# Altium PCB mPCIe_Breakout01_BRD1.PcbDoc (part 2 of 2)
Units mil, origin at the board's own origin, x right, y up, seen from the top; angles counter-clockwise.
Board outline 4000 x 4000 mil, 4 copper layers (Top Layer, Inner Layer 1, Inner Layer 2, Bottom Layer), stack 60.911 mil thick; 97 components, 50 nets, 363 pads, 274 vias.
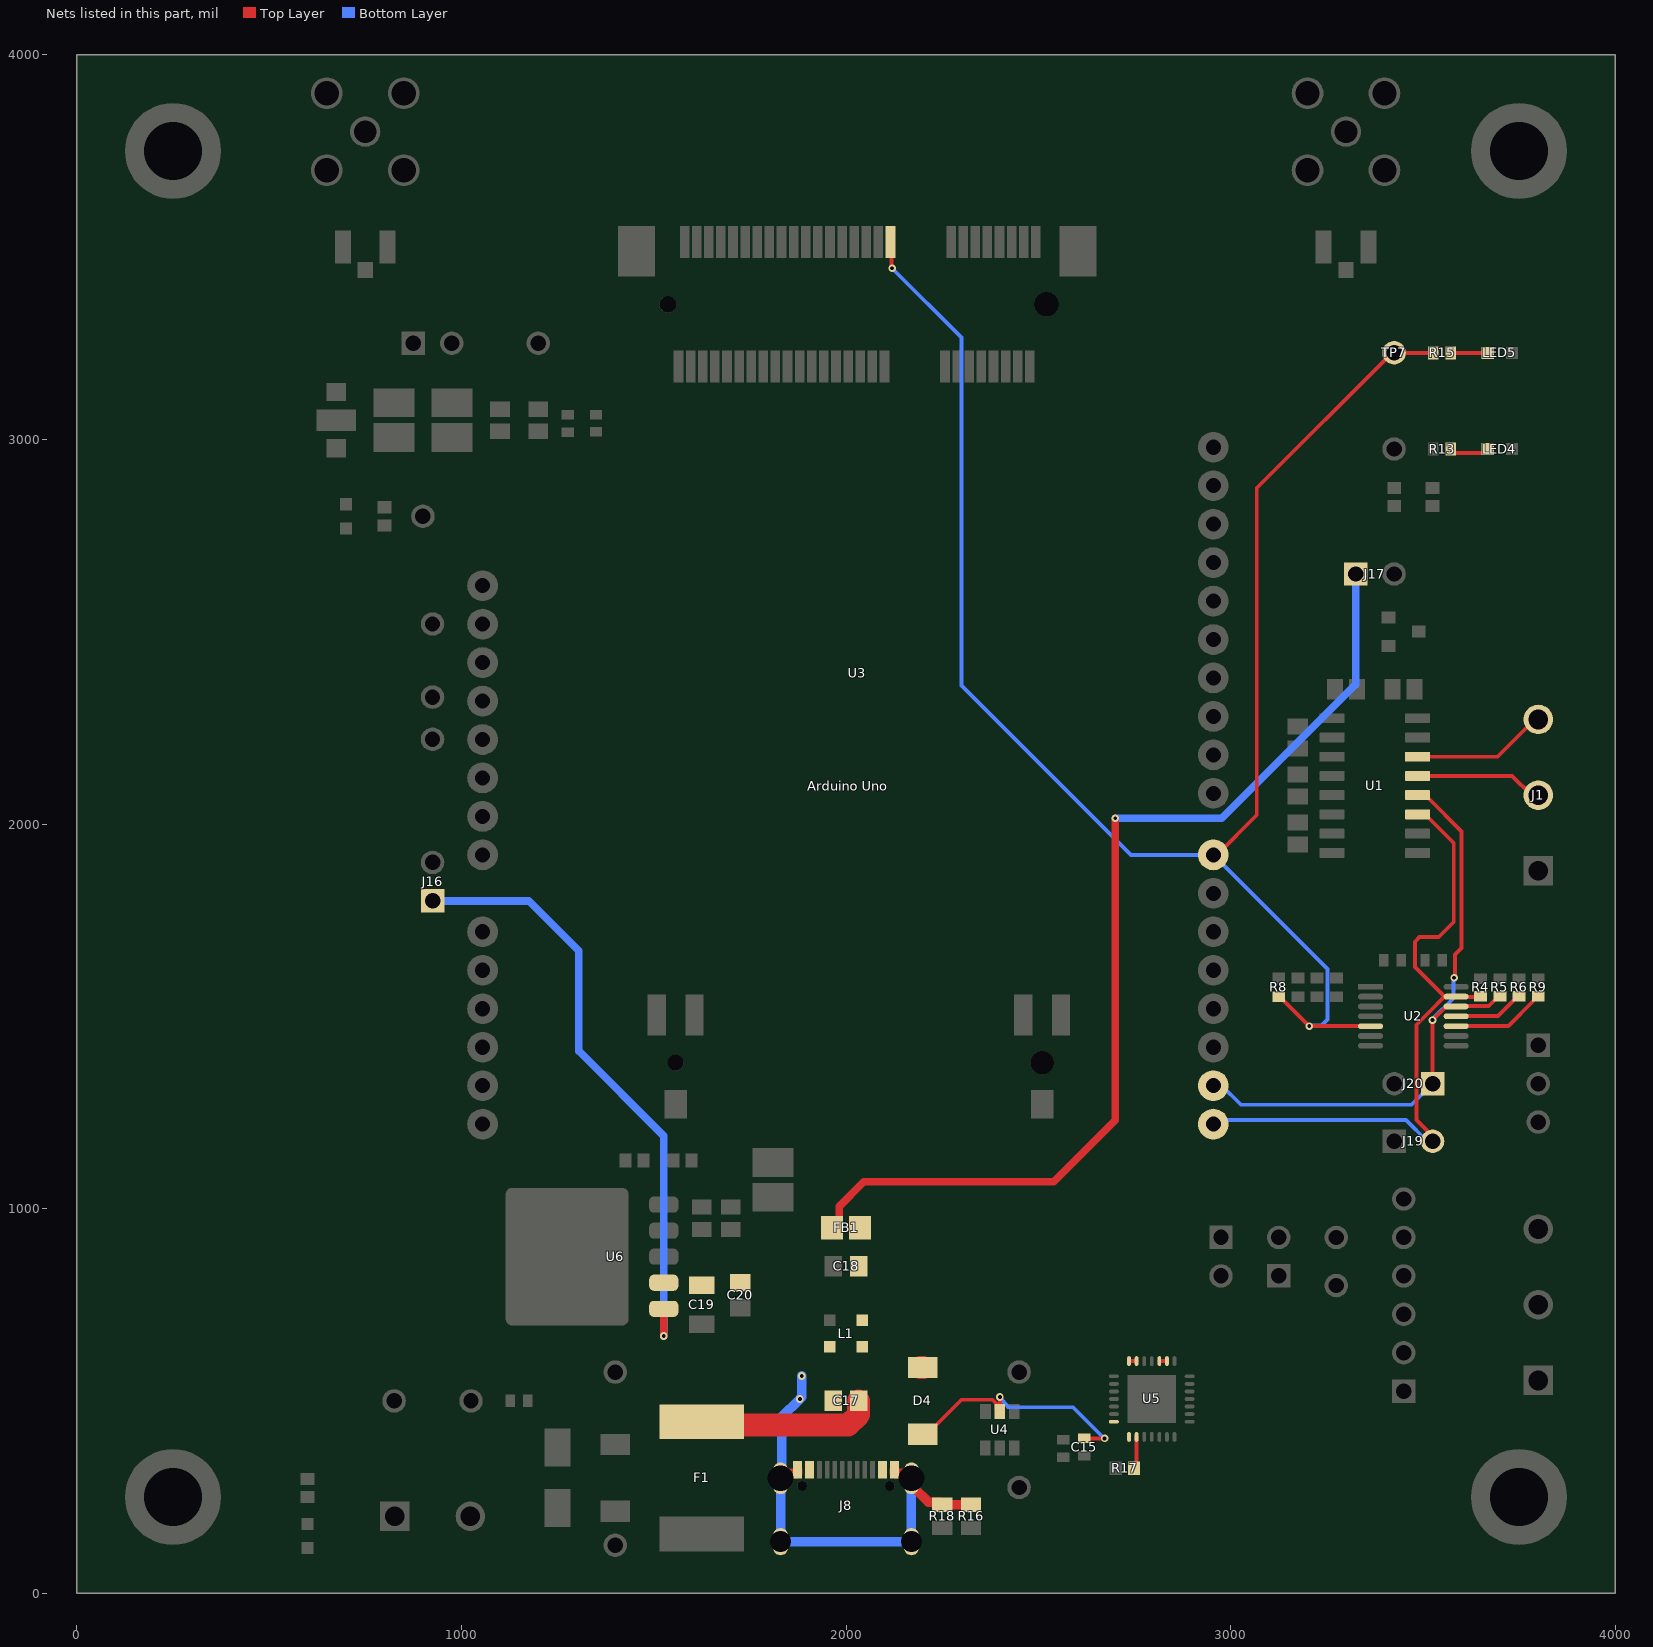
[diagram p4: the nets of this part, all layers, seen from the top]

## Via types
v1: diameter 20, hole 10, Top Layer to Bottom Layer, tented both sides, 274 vias

## Nets (pads, with @x,y where several pads share a name; then routed paths per layer and width w, separated by ;. In a path a pad name is that pad's centre, name@x,y a point inside that pad or via, vN(x,y) a via of type N, cw(c..) or ccw(c..) an arc to the next point about the centre after c; other vN are vias at no path point) (continued)
NetLED4_2: LED4.2 R13.1 | length 105.9
  Top Layer w10: R13.1@3572.64,2975 3572.64,2973.03 3581.42,2964.25 3657.76,2964.25 LED4.2@3668.5,2975
NetLED5_2: LED5.2 R15.1 | length 95.9
  Top Layer w10: R15.1@3572.64,3225 LED5.2@3668.5,3225
NetR17_2: R17.2 U5.9 | length 81.9
  Top Layer w10: U5.9@2755.63,406.57 2755.63,325.87 R17.2@2756.5,325
NetU5_23: U5.23 U5.24 | length 19.7
  Top Layer w10: U5.24@2814.69,603.43 U5.23@2834.37,603.43
NetU5_27: U5.27 U5.28 | length 19.7
  Top Layer w10: U5.28@2735.94,603.43 U5.27@2755.63,603.43
RS232_RX: J1.2 U1.13 | length 334.5
  Top Layer w10: U1.13@3486.22,2125 3731.93,2125 3781.93,2075 J1.2@3800,2075
RS232_TX: J1.3 U1.14 | length 353.9
  Top Layer w10: U1.14@3486.22,2175 3694.07,2175 3790.92,2271.85 J1.3@3800,2271.85
T/R: "Arduino Uno.7" R8.1 R15.2 TP7.1 U2.5 U3.17 | length 4548.6
  Top Layer w10: U3.17@2115.75,3512.83 2118.09,3510.5 2118.09,3446.91 v1(2120,3445) ; 2955.12,1919.69 2964.69,1919.69 3068,2023 3068,2873.31 TP7.1@3419.69,3225 ; R8.1@3125,1550.39 3127.95,1550.39 3203.94,1474.41 v1(3204.41,1474.41) ; v1@3205,1475 v1(3204.41,1474.41) ; U2.5@3363.76,1474.41 v1(3204.41,1474.41) ; TP7.1@3425,3225 R15.2@3527.36,3225
  Bottom Layer w10: v1(2120,3445) 2300,3265 2300,2360.25 2740.57,1919.69 2955.12,1919.69 ; 2955,1920 2955,1919.8 2955.12,1919.69 ; v1(3204.41,1474.41) 3206.32,1476.32 3236.02,1476.32 3251.49,1491.79 3251.49,1623.31 2955.12,1919.69
USB_GND: C17.2 J8.1 J8.2 J8.3 J8.4 J8.A1-B12 J8.B1-A12 L1.4 R16.2 R18.2 | length 1289.3
  Top Layer w25: J8.1@1829.92,298.7 1829.92,304.56 1836.56,311.2 1873.33,311.2 1874.02,311.89 J8.A1-B12@1874.02,321.34 ; J8.B1-A12@2125.98,321.34 2125.98,311.89 2126.67,311.2 2163.44,311.2 2170.08,304.56 J8.2@2170.08,298.7 ; J8.2@2176.72,286.71 2176.72,274.3 2214.3,236.71 2243.8,236.71 R18.2@2250,230.51 R16.2@2325,230.51
  Bottom Layer w25: v1(1885,565) 1885,510 v1(1880,505) 1832.67,457.67 1832.67,301.45 J8.1@1829.92,298.7 J8.3@1829.92,134.13 J8.4@2170.08,134.13 J8.2@2170.08,298.7 2170.08,316.47 J8.2@2176.72,323.1
USER_GPIO1: R6.1 U2.11 | length 185.5
  Top Layer w10: U2.11@3586.24,1500 3587.19,1500.95 3695.64,1500.95 3747.05,1552.36 R6.1@3750,1552.36
USER_RX: "Arduino Uno.1" J20.1 R5.1 U1.12 U2.12 | length 1654
  Top Layer w10: U1.12@3486.22,2075 3494.02,2067.2 3513.7,2067.2 3600,1980.91 3600,1677.49 3583.1,1660.59 3583.1,1602.18 v1(3581.19,1600.27) ; J20.1@3525,1325 v1(3525,1490.01) 3560.58,1525.59 U2.12@3586.24,1525.59 3587.19,1526.55 3671.23,1526.55 3697.05,1552.36 R5.1@3700,1552.36
  Bottom Layer w10: 2955,1320 2976.6,1320 3026.6,1270 3470,1270 J20.1@3525,1325 ; v1(3525,1490.01) 3525,1492.72 3579.28,1546.99 3579.28,1598.35 v1(3581.19,1600.27)
USER_T/R: R9.1 U2.10 | length 247.8
  Top Layer w10: U2.10@3586.24,1474.41 3722.05,1474.41 3788.27,1540.63 3788.27,1543.58 3797.05,1552.36 R9.1@3800,1552.36
USER_TX: "Arduino Uno.0" J19.2 R4.1 U1.11 U2.13 | length 1772.6
  Top Layer w10: U1.11@3486.22,2025 3505.91,2025 3580,1950.91 3580,1745 3541,1706 3491.3,1706 3479,1693.7 3479,1628.26 3510.38,1596.88 3556.08,1551.18 U2.13@3586.24,1551.18 ; J19.2@3525,1175 3525,1188.81 3483.49,1230.32 3483.49,1478.2 3516.3,1511.01 3556.47,1551.18 3612.68,1551.18 3613.63,1550.23 3647.86,1550.23 R4.1@3650,1552.36
  Bottom Layer w10: 2955.12,1219.69 2965.43,1230 3456.19,1230 3511.19,1175 J19.2@3525,1175
V_USB: C15.1 D4.A J8.A4-B9 J8.B4-A9 U4.5 U5.7 U5.8 | length 666.5
  Top Layer w10: D4.A@2200,413.39 2210.83,413.39 2300.37,502.93 2380.94,502.93 2391.22,492.64 2391.22,481.02 U4.5@2400,472.24 v1(2400,510) ; C15.1@2620,402.64 v1(2672.36,402.64)
  Bottom Layer w10: v1(2400,510) 2400,507.29 2421.48,485.81 2421.48,483.52 2590.61,483.52 2671.48,402.64 v1(2672.36,402.64)
VBUS: C17.1 D4.K F1.2 L1.1 | length 463.8
  Top Layer w60: F1.2@1625,445.67 1633.48,437.19 2005.14,437.19 2032.57,464.62 C17.1@2032.57,500 ; D4.K@2194.06,586.61 D4.K@2200,586.61
VBUS_CL: C19.1 C20.1 FB1.2 J16.1 J17.1 U6.1 U6.2 | length 4312.6
  Top Layer w20: v1(1526.18,668.82) U6.1@1526.18,739.57 ; FB1.2@1963.56,950 1982.2,968.64 1982.2,1005.56 2046.63,1070 2540,1070 2700,1230 v1(2700,2015)
  Bottom Layer w20: J16.1@925,1800 1175,1800 1305,1670 1305,1410 1526.18,1188.82 v1(1526.18,668.82) ; v1(2700,2015) 2977.09,2015 3325,2362.91 J17.1@3325,2650
VBUS_POST: C18.1 FB1.1 L1.2
pads on no net: "Arduino Uno.2" "Arduino Uno.3" "Arduino Uno.4" "Arduino Uno.6" "Arduino Uno.8" "Arduino Uno.9" "Arduino Uno.10" "Arduino Uno.11" "Arduino Uno.12" "Arduino Uno.13" "Arduino Uno.A0" "Arduino Uno.A1" "Arduino Uno.A2" "Arduino Uno.A3" "Arduino Uno.A4" "Arduino Uno.A5" "Arduino Uno.AREF" "Arduino Uno.NC" "Arduino Uno.RST" "Arduino Uno.SCL" "Arduino Uno.SDA" D1.2 FTDI.2 FTDI.3 FTDI.6 J8. J8.A8 J8.B8 U1.7 U1.8 U1.9 U1.10 U2.6 U2.9 U3. U3.1 U3.3 U3.5 U3.6 U3.7 U3.8 U3.10 U3.12 U3.14 U3.16 U3.19 U3.20 U3.22 U3.23 U3.24 U3.25 U3.28 U3.30 U3.31 U3.32 U3.33 U3.36 U3.38 U3.44 U3.45 U3.46 U3.47 U3.48 U3.49 U3.51 U4.1 U4.6 U5.1 U5.2 U5.10 U5.11 U5.12 U5.13 U5.14 U5.15 U5.16 U5.17 U5.18 U5.19 U5.20 U5.21 U5.22
copper on no net:
  other v1: 1810,1180 1855,1180 1100,2925

## Polygon pours and split planes (outlines as drawn)
no net on Notes 1 "Prepreg" (hatched 45Degree grid 20 track 1): -6210,4106 -5450,4106 -5550,4006 -6210,4006
no net on Notes 1 "Prepreg" (hatched 45Degree grid 20 track 1): -6210,3906 -5450,3906 -5550,3806 -6210,3806
no net on Notes 1 "Prepreg" (hatched 45Degree grid 20 track 1): -7950,3906 -7290,3906 -7290,3806 -7950,3806
no net on Notes 1 "Prepreg" (hatched 45Degree grid 20 track 1): -7950,4106 -7290,4106 -7290,4006 -7950,4006
no net on Notes 1 "Prepreg" (hatched 45Degree grid 20 track 1): -6210,4306 -5450,4306 -5550,4206 -6210,4206
no net on Notes 1 "Prepreg" (hatched 45Degree grid 20 track 1): -7950,4306 -7290,4306 -7290,4206 -7950,4206
GND on Inner Layer 2 "GND_L03_P237" (solid, pour order 237): 47.45,3951.34 47.45,50.15 3950.7,50.15 3950.7,3951.34
GND on Bottom Layer "GND_L04_P222" (solid, pour order 222): 48.43,3951.95 48.43,50.82 3951.61,50.82 3951.61,3951.95
no net on Bottom Layer "NONET_L04_P225" (solid, pour order 225): 1200,1300 1800,1300 1800,600 1200,600
GND on Top Layer "GND_L01_P234" (solid, pour order 234): 760,3040 1485,3040 1585,3140 1585,3230 1608,3230 1608,2928 1565,2885 760,2885
3V3_MODEM on Top Layer "3V3_MODEM_L01_P233" (solid, pour order 233): 920,3310 920,3220 905,3205 815.65,3205 761.89,3151.24 761.89,3050 1480,3050 1610,3180 1610,3310
V_USB on Top Layer "V_USB_L01_P236" (solid, pour order 236): 2085,455 2025,395 1894,395 1894,299.18 2107,299.18 2107,350 2260,350 2260,455
GND on Top Layer "GND_L01_P235" (solid, pour order 235): 1580,1092.43 1667.43,1092.43 1690,1115 1690,1205 1890,1205 1890,1075 1745,1075 1730,1060 1730,985 1580,985
GND on Top Layer "GND_L01_P231" (solid, pour order 231): 1190,440 1190,320 1310,320 1310,440 1445,440 1445,1155 730,1155 730,440
GND on Top Layer "GND_L01_P230" (solid, pour order 230): 1580,590 1815,590 1815,670 1990,670 1990,890 1940,890 1825,775 1580,775
3V3 on Top Layer "3V3_L01_P229" (solid, pour order 229): 1890,1075 1745,1075 1731.5,1061.5 1731.5,975 1485,975 1485,845 1890,845
VBUS_CL on Top Layer "VBUS_CL_L01_P227" (solid, pour order 227): 1485,590 1570,590 1570,775 1825,775 1950,900 2000,900 2000,1000 1900,1000 1745,845 1485,845
V_USB on Top Layer "V_USB_L01_P224" (solid, pour order 224): 2705,455 2625,455 2590,420 2590,385 2745,385 2745,415
VBUS on Top Layer "VBUS_L01_P232" (solid, pour order 232): 2005,657.28 2250,657.28 2250,475 2005,475
VBUS_POST on Top Layer "VBUS_POST_L01_P228" (solid, pour order 228): 2000,692.72 2000,1000 2080,1000 2120,960 2120,692.72
NetC14_1 on Top Layer "NETC14_1_L01_P226" (solid, pour order 226): 925,300 1475,300 1475,75 925,75
USB_GND on Top Layer "USB_GND_L01_P223" (solid, pour order 223): 1990,657.28 1990,475 1825,475 1825,657.28
GND on Inner Layer 1 "GND_L02_P238" (solid, pour order 238): 48.24,3950.94 48.24,50.48 3951.19,50.48 3951.19,3950.94

## Other copper
Top Layer:
  text ".Plot_File_Name" at -621.38,-1564 h150
Inner Layer 1:
  text ".Plot_File_Name" at -1920,-1219 h150
Inner Layer 2:
  text ".Plot_File_Name" at -1820,-1184 h150
Bottom Layer:
  text ".Plot_File_Name" at -1840,-1189 h150

## Silkscreen, mask and mechanical layers (free items; w line width, h text height)
Top Overlay:
  drawing of 32 lines, arcs and shapes, not listed
  text "www.swarm.space" at 2245,3871.64 h60
  text "info@swarm.space" at 2250,3822.27 h60
  text "'.Model'-'.PCB_REV'" at 2249.67,3769.64 h60
  text "GPS" at 896.71,3730.02 h120
  text "ANT" at 2846.71,3730.02 h120
  text "DATE: '.Drawn_By_Date'" at 2250,3715.66 h60
  text "MODEM EN" at 699.13,3297.8 h80
  text "T/R" at 3192.33,3191.94 h80
  text "GPIO1" at 3099.08,2941.94 h80
  text "3V3 POWER" at 351.37,2742.25 h80
  text "USE WITH 5V VIN ONLY!" at 3600.05,2520.06 h80
  text "RS232" at 3648.05,2383.01 h100
  text "TX" at 3639.99,2215.02 h60 r90
  text "RX" at 3639.99,2015.02 h60 r90
  text "GND" at 3639.99,1813.68 h60 r90
  text "ARD EN" at 846.47,1663.91 h80 r90
  text "EN" at 3949.99,1213.68 h60 r90
  text "UART" at 3650.05,1058.01 h100
  text "GND" at 3639.99,888.68 h60 r90
  text "TX" at 3639.99,690.02 h60 r90
  text "5V-12V Input" at 695.05,672.62 h100
  text "RX" at 3639.99,490.02 h60 r90
  text "USB TX" at 3001.47,484.91 h80 r90
  text "USB RX" at 3156.47,482.8 h80 r90
  text "INPUT POWER" at 311.46,392.38 h80
  text "USB-C 1.5A+" at 2678.77,85.01 h100
  text "+" at 1143.23,33.69 h140
  text ".Plot_File_Name" at -1840,-1204 h150
Bottom Overlay:
  rectangle: 50,1200 800,2800
  text "NOTES:" at 803.25,2830.02 h120
  text ".Plot_File_Name" at -1845,-544 h150
Top Paste:
  text ".Plot_File_Name" at -1835,-1044 h150
Bottom Paste:
  text ".Plot_File_Name" at -1875,-534 h150
Top Solder:
  text ".Plot_File_Name" at -1835,-1044 h150
Bottom Solder:
  text ".Plot_File_Name" at -1895,-534 h150
Board Outline:
  the board outline again, w5
Drawing Format:
  lines w10: -9494.1,-3987.68 -9493.12,-3987.68 ; -9494.1,-3987.63 -9493.12,-3987.63 ; -9494.04,-3987.68 -9494.04,-3987.63 -9494.04,-3987.59 ; -9493.95,-3987.68 -9493.95,-3987.63 -9493.95,-3987.59 ; -9493.48,-3987.68 -9493.48,-3987.63 -9493.48,-3987.59 ; -9493.3,-3987.68 -9493.3,-3987.63 -9493.3,-3987.59 ; -9001.61,14412.35 -9001.61,-3500.78 12113.39,-3500.78 12113.39,14864.22 -3886.61,14864.22 ; -9000,14412.35 12110,14412.35 12445,14412.35 12445,10864.22 12443.39,10864.22 12123.39,10864.22 ; 7278.74,13732.18 7278.74,14407.68 ; 7282.12,13946 12108.39,13946 ; 7283.74,13727.18 12112.2,13727.18 ; 7285,14176 12110,14176 ; 7505.4,-3987.22 -9494.1,-3987.22 ; 7631.03,13732.18 7631.03,13957.35 7631.03,14176 ; 8035,13736 8035,13956 8035,14176 ; 10298.68,13732.18 10298.68,13957.35 10298.68,14181 ; 11210.06,13727.18 11210.06,13952.35 ; 11210.06,13952.18 11210.06,14176 ; 12123.39,12989.22 12443.39,12989.22 ; 12123.39,13614.22 12443.39,13614.22 ; -9494.1,-3987.22 12505,-3987.22 12505,14866 -9494.1,14866 -9494.1,-3987.22 ; -9494.1,-3987.73 -9493.12,-3987.73 -9493.12,-3987.59 -9494.1,-3987.59 -9494.1,-3987.73
  lines w11.8: 4590.81,-3470.78 4590.81,-1195.78 12113.39,-1195.78 ; 4590.81,-2845.78 6965.81,-2845.78 ; 4590.81,-2689.78 6965.81,-2689.78 ; 4590.81,-2533.78 6965.81,-2533.78 8590.81,-2533.78 ; 4590.81,-2255.78 6965.81,-2255.78 8590.81,-2255.78 12110,-2255.78 ; 4590.81,-1645.78 12110,-1645.78 ; 4600.9,-1971.78 6965.81,-1971.78 8590.81,-1971.78 ; 4746,-1645.78 4746,-1195.78 ; 4746,-1495.78 12113.39,-1495.78 ; 4746,-1345.78 12113.39,-1345.78 ; 5510.57,-1645.78 5510.57,-1195.78 ; 5778.31,-2845.78 5778.31,-2255.78 ; 5778.31,-2398 6965.81,-2398 ; 6958,-2845.78 8583,-2845.78 ; 6965.81,-3470.78 6965.81,-1644.12 ; 6965.81,-3165.78 8590.81,-3165.78 ; 7778,-3470.78 7778,-3345.78 ; 7778,-3165.78 7778,-3040.78 ; 7778,-2845.78 7778,-2720.78 ; 7778,-2533.78 7778,-2408.78 ; 7778,-2255.78 7778,-2130.78 ; 7778,-1971.78 7778,-1846.78 ; 8590.81,-3470.78 8590.81,-1645.78 ; 8590.81,-2870.78 12113.39,-2870.78 ; 8590.81,-1972.78 12110,-1972.78 ; 8970.81,-3470.78 8970.81,-2870.78 ; 8970.81,-3240.78 12113.39,-3240.78 ; 10431.78,-3470.78 10431.78,-3240.78 ; 11710.81,-3240.78 11710.81,-2870.78
  text "REVISIONS" at 9492.57,14255.29 h106.13
  text "ZONE" at 7305,14031 h125
  text "REV." at 7705,14031 h125
  text "DESCRIPTION" at 8835,14031 h125
  text "APPD/DATE" at 11390.98,14026 h125
  text ".PCB_REV" at 12341.11,14023.9 h200 r90
  text "NAME/DATE" at 10405,14016 h125
  text "REV" at 12235,13686 h125 r90
  text "SH" at 12270,13261 h125 r90
  text ".PCB_NUMBER" at 12350,10906 h130 r90
  text "A" at 7068.49,-1128.49 h400
  text "MAT'L" at 4709,-1590 h125 r90
  text "DRAWN BY/DATE" at 6995,-1739 h125
  text "INTERPRET DRAWING" at 5054.76,-1777 h150
  text ".Company" at 9806.51,-1839 h150
  text ".Engineer" at 7270,-1914 h125
  text ".Address1" at 10064.83,-1918 h100
  text "'.Drawn_By_Date'" at 7890,-1923 h125
  text "PER ANSI Y32" at 5348.08,-1937 h150
  text "CHECKED BY/DATE" at 6995,-2064 h125
  text "DRAWING TYPE:" at 8620,-2064 h100
  text "UNLESS OTHERWISE SPECIFIED" at 4732.89,-2087 h150
  text "ALL DIMENSIONS IN INCHES." at 4855,-2222 h150
  text "MFG ENG/DATE" at 6995,-2339 h125
  text "Title:" at 8649.35,-2367.62 h100
  text ".XX ± .01" at 5819.76,-2372 h150
  text "TOLERANCE" at 4649.76,-2452 h150
  text ".XXX ± .005" at 5824.76,-2512 h150
  text "FNL APPROVAL/DATE" at 6995,-2614 h125
  text ".Project_Title" at 8780,-2614 h200
  text "ANGLE" at 4650,-2657 h150
  text "± 1°" at 5824.76,-2657.78 h150
  text "±1/64" at 5829.76,-2813.78 h150
  text "FRACTION" at 4649.76,-2817 h150
  text "FNL APPROVAL/DATE" at 6995,-2939 h125
  text "SIZE" at 8670,-2964 h100
  text "DWG No." at 9020,-2964 h100
  text "Form Rev. 9/2/2019" at -9043,-2978 h100 r90
  text "CONFIDENTIAL" at 5294.16,-2993 h150
  text "REV" at 11804.6,-2999.91 h100
  text "THIS DOCUMENT IS THE CONFIDENTIAL PROPERTY OF" at 4869.56,-3087 h75
  text "Swarm Technologies AND IS NOT TO BE REPRODUCED," at 4786,-3173 h75
  text "USED OR DISCLOSED BY ANYONE WITHOUT THE EXPRESS" at 4802.18,-3258 h75
  text "PROD CTRL/FNL REL" at 6995,-3264 h125
  text "B" at 8720,-3314 h250
  text "WRITTEN PERMISSION OF THE Swarm Technologies" at 4790.87,-3345.36 h75
  text "1" at 11212,-3421 h150
  text "SCALE:" at 9100.03,-3423.65 h150
  text "1:1" at 9723.88,-3423.87 h150
  text "SHEET:" at 10601.69,-3423.65 h150
  text "OF" at 11412.9,-3423.65 h150
  text "1" at 11762.9,-3423.87 h150
  text "COMPANY." at 5606.21,-3428 h75
Notes 1:
  rectangle: -5050,5681 -4950,5781
  region: -5547.17,6080.96 -5647.13,6083.79 -5649.96,5983.83 -5550,5981
  rectangle: -6601,9507 -6501,9607
  rectangle: -5850,5681 -5750,5781
  rectangle: -4650,956 -4550,1056
  region: -5025,3606 -4975,3656 -4975,3556
  region: -5025,3806 -4975,3856 -4975,3756
  region: -5025,4056 -4975,4106 -4975,4006
  region: -5025,4256 -4975,4306 -4975,4206
  region: -5025,4456 -4975,4506 -4975,4406
  region: -5025,4656 -4975,4706 -4975,4606
  region: -5025,4906 -4975,4956 -4975,4856
  region: -5025,5106 -4975,5156 -4975,5056
  lines w7.87: -6600,9506 -6500,9506 -6500,9606 -6600,9606 -6600,9506 ; -6150,9506 -6050,9506 -6050,9606 -6150,9606 -6150,9506
  lines w8: -7850,3506 -8050,3306 -5450,3306 -5150,3606 -5350,3606 ; -7850,3706 -8050,3506 -5450,3506 -5150,3806 -5350,3806 ; -7850,4606 -8050,4406 ; -7850,4806 -8050,4606 -5450,4606 -5150,4906 -5350,4906 ; -5550,3906 -5550,3806 ; -5550,4106 -5550,4006 ; -5550,4306 -5550,4206 ; -5350,4706 -5150,4706 ; -5250,4106 -5150,4106 ; -5250,4306 -5150,4306 ; -5250,4506 -5150,4506 ; -8050,3806 -8050,3706 -5450,3706 ; -8050,3806 -7950,3806 ; -8050,3806 -7950,3906 -7950,3806 ; -8050,4006 -8050,3906 -5450,3906 ; -8050,4006 -7950,4006 ; -8050,4006 -7950,4106 -7950,4006 ; -8050,4206 -7950,4206 ; -8050,4206 -8050,4106 -5450,4106 ; -8050,4206 -7950,4306 -7950,4206 ; -8050,4406 -8050,4306 -5450,4306 ; -8050,4406 -5450,4406 ; -7950,3806 -5550,3806 ; -7950,4006 -5550,4006 ; -7950,4206 -5550,4206 ; -5550,3806 -5450,3806 ; -5550,3806 -5450,3906 ; -5550,4006 -5450,4006 ; -5550,4006 -5450,4106 ; -5550,4206 -5450,4206 ; -5550,4206 -5450,4306 ; -5450,3706 -5450,3806 ; -5450,3706 -5450,3806 ; -5450,3706 -5150,4006 -5150,4106 ; -5450,3806 -5150,4106 ; -5450,3906 -5450,4006 ; -5450,3906 -5150,4206 -5150,4306 ; -5450,4006 -5150,4306 ; -5450,4106 -5450,4206 ; -5450,4106 -5150,4406 -5150,4506 ; -5450,4206 -5150,4506 ; -5450,4306 -5450,4406 ; -5450,4306 -5150,4606 -5150,4706 ; -5450,4406 -5150,4706 ; -5350,4906 -5150,5106 -7750,5106 -8050,4806 -5450,4806 -5350,4906
  lines w10: -4975,3606 -4775,3606 ; -4975,3806 -4775,3806 ; -4975,4056 -4775,4056 ; -4975,4256 -4775,4256 ; -4975,4456 -4775,4456 ; -4975,4656 -4775,4656 ; -4975,4906 -4775,4906 ; -4975,5106 -4775,5106
  lines w11.8: -6050,5981 -6050,6081 -5950,6081 -5950,5981 -6050,5981 ; -5850,5681 -5850,5781 -5750,5781 -5750,5681 -5850,5681 ; -5650,5981 -5550,5981 -5550,6081 -5650,6081 -5650,5981 ; -5250,956 -5150,956 -5150,1056 -5250,1056 -5250,956 ; -5150,5981 -5150,6081 -5050,6081 -5050,5981 -5150,5981 ; -5050,5681 -4950,5681 -4950,5781 -5050,5781 -5050,5681 ; -4650,956 -4550,956 -4550,1056 -4650,1056 -4650,956
  text "1. RoHS COMPLIANCE:" at -8250,9506 h125
  text "YES" at -6850,9506 h125
  text "NO" at -6350,9506 h125
  text "ALL MATERIALS, LAMINATES, RESINS, METALIZATIONS, INKS AND SOLDERMASK" at -7950,9406 h125
  text "TO BE COMPLIANT TO EU RoHS DIRECTIVE 2002/95/EC. LAMINATE AND RESIN MATERIALS" at -7950,9306 h125
  text "TO HAVE A Tg >170°C,Td >350°C AND WHEN CONSTRUCTED, BE ABLE TO WITHSTAND" at -7950,9206 h125
  text "6X THERMAL CYCLES AT 260°C. VENDOR TO ADD MARKING Pb-FREE OR USE APPROVED" at -7950,9106 h125
  text "SYMBOL PER IPC-1066 TO PRIMARY SIDE SILKSCREEN. MARKING SHALL BE ADDED TO" at -7950,9006 h125
  text "PRIMARY SIDE ETCH ONLY IF SILKSCREEN IS NOT REQUIRED." at -7950,8906 h125
  text "2. IPC SPECIFICATION:" at -8250,8706 h125
  text "MANUFACTURE BOARD IN ACCORDANCE WITH PERFORMANCE STANDARD IPC-6011/6012" at -7950,8606 h125
  text "CLASS 2. BOARD TO BE INSPECTED PER IPC-600-A CLASS 2 LATEST REV." at -7950,8506 h125
  text "3. MATERIAL SPECIFICATIONS" at -8250,8306 h125
  text "GLASS FIBER EPOXY LAMINATE AND PREPREG MATERIALS PER IPC-4101" at -7950,8206 h125
  text "(CURRENT REVISION). ALL MATERIALS MUST MEET RoHS COMPLIANCE CRITERIA." at -7950,8106 h125
  text "SEE NOTE RoHS COMPLIANCE" at -7950,8006 h125
  text "4. PCB THICKNESS:" at -8250,7806 h125
  text "CARD PROFILE: FINISHED. CARD THICKNESS : 0.062\" +/-.006\"." at -7950,7706 h125
  text "5. VIA, HOLE SIZE, FINISH AND THICKNESS:" at -8250,7506 h125
  text "PLATED HOLE SIZES SHOWN IN LEGEND ARE FINISHED SIZES +/- 0.002\", AFTER PLATING." at -7950,7406 h125
  text "NON-PLATED HOLE SIZES SHOWN IN LEGEND ARE +/-0.002\"" at -7950,7306 h125
  text "6. COPPER WEIGHT (OZ) PER LAYER:" at -8250,7081 h125
  text "COPPER PLATING -OUTER LAYERS SHALL HAVE A MINIMUM OF         OZ. COPPER CLADDING" at -7950,6981 h125
  text "1/2" at -4450,6981 h125
  text "AND SHALL BE A MINIMUM OF     OZ. AFTER PLATING. FINISHED HOLES SHALL" at -7950,6881 h125
  text "1" at -6300,6881 h125
  text "HAVE AN AVERAGE COPPER THICKNESS OF 0.001 AND HAVE A MINIMUM THICKNESS" at -7950,6781 h125
  text "OF 0.0008. WHEN USED, INNER LAYERS SHALL BE A MINIMUM OF 1 OZ" at -7950,6681 h125
  text "7. SURFACE FINISH:" at -8250,6481 h125
  text "COPPER FINISH SHALL BE ELECTROLESS NICKEL/IMMERSION GOLD (ENIG)" at -7950,6381 h125
  text "(100-300 MICRO-INCHES) / IMMERSION GOLD FLASH (2-10 MICROINCHES)" at -7950,6281 h125
  text "8. LAYER STACK" at -8250,6081 h125
  text "LAYER COUNT:" at -7950,5981 h125
  text "2" at -6150,5981 h125
  text "4" at -5750,5981 h125
  text "6" at -5250,5981 h125
  text "TECHNOLOGY LINE/SPACE :" at -7950,5831 h125
  text "6" at -6150,5831 h125
  text "MIL LINE/      MIL SPACE  (± 20% )" at -6100,5831 h125
  text "6" at -5500,5831 h125
  text "SMT USED :" at -7950,5681 h125
  text "TOP" at -6150,5681 h125
  text "BOTTOM" at -5550,5681 h125
  text "ELECTRICAL TEST :" at -7950,5531 h125
  text "REQUIRED, 100% FOR SHORTS AND OPENS" at -6150,5531 h125
  text "LAYER STACKUP BELOW:" at -7950,5381 h125
  text "TOP OVERLAY (.GTO)" at -4680,5076 h100
  text "SOLDER MASK TOP (.GTS)" at -4670,4876 h100
  text "WHITE NON CONDUCTIVE EPOXY" at -7484.81,4846 h100
  text "SOLDERMASK" at -7222.62,4666 h100
  text "\".Soldermask_Color\"" at -6550,4666 h100
  text "TOP LAYER (.GTL)" at -4675,4631 h100
  text "INNER LAYER 1 (.G1)" at -4670,4426 h100
  text "1.7 MIL  0.5 OZ. PLATED TO 1OZ" at -7432.37,4326 h100
  text "INNER LAYER 2 (.G2)" at -4675,4231 h100
  text "8.2 MIL ~3.8 DIELECTRIC" at -7270,4226 h100
  text "1.38 MIL  1OZ" at -7090,4126 h100
  text "BOTTOM LAYER (.GBL)" at -4675,4031 h100
  text "39 MIL ~3.8 DIELECTRIC" at -7250,4026 h100
  text "1.38 MIL  1OZ" at -7090,3926 h100
  text "8.2 MIL ~3.8 DIELECTRIC" at -7270,3826 h100
  text "SOLDERMASK BOTTOM (.GBS)" at -4675,3781 h100
  text "1.7 MIL  0.5 OZ. PLATED TO 1OZ" at -7432.37,3726 h100
  text "BOTTOM OVERLAY (.GBO)" at -4675,3581 h100
  text "SOLDERMASK" at -7222.62,3566 h100
  text "\".Soldermask_Color\"" at -6550,3566 h100
  text "WHITE NON CONDUCTIVE EPOXY" at -7484.81,3346 h100
  text "9. SOLDER MASK SPECIFICATION:" at -8250,2881 h125
  text "SOLDERMASK TOP AND BOTTOM SIDE OF CARD USING LIQUID PHOTO IMAGEABLE" at -7950,2781 h125
  text "MASK MATERIAL OVER BARE COPPER, PER IPC-SM-840. MASK ARTWORKS PROVIDED" at -7950,2681 h125
  text "ARE 1:1 WITH PAD SIZES. VENDOR SHALL MODIFY TO OBTAIN MINIMUM PAD TO MASK" at -7950,2581 h125
  text "CLEARANCE. SOLDERMASK COLOR \".Soldermask_Color\" (Amendment: to Allow for ENIG before Solder Mask)" at -7950,2481 h125
  text "10. SILKSCREEN:" at -8250,2281 h125
  text "SILKSCREEN CARD PER ARTWORK PROVIDED USING NON-CONDUCTIVE WHITE EPOXY INK." at -7950,2181 h125
  text "VENDOR TO MODIFY SILKSCREEN ARTWORK (CLIP), SUCH THAT NO SILKSCREEN APPEARS" at -7950,2081 h125
  text "ON EXPOSED METALLIC AREAS." at -7950,1981 h125
  text "11. UL REQUIREMENTS" at -8250,1781 h125
  text "BOARDS SHALL BE PURCHASED FROM UL RECOGNIZED VENDORS ONLY AND SHALL BE" at -7950,1681 h125
  text "MARKED IN COPPER ON SECONDARY SIDE OF CARD WITH VENDORS UL IDENTITY," at -7950,1581 h125
  text "FLAMMABILITY RATING (94-V0), AND DATE CODE (WWYY)." at -7950,1481 h125
  text "12. ARRAYS DIMENSIONS (PANELIZATION):" at -8250,1331 h125
  text "IF DIMENSIONS ARE NOT 100% EXPLICIT PLEASE USE GERBER BOARD OUTLINE" at -7950,1211 h125
  text "CONTRACT MANUFACTURE ALLOWED TO PANALIZE PER MACHINE REQUIREMENTS." at -7950,1111 h125
  text "13. CONTROLLED IMPEDANCE REQUIREMENTS:" at -8250,956 h125
  text "YES" at -5550,956 h125
  text "NO" at -4850,956 h125
  text "NET NAME:" at -7950,831 h125
  text "IMPEDANCE REQUIRED:" at -7950,706 h125
  text "TOLERANCE:" at -7950,581 h125
  text "14. REMOVE BURRS AND SHARP EDGES" at -8250,406 h125
  text "Fabrication Drawing." at 9450,-2214 h250
  text ".PCB_NUMBER" at 9030,-3114 h200
  text ".PCB_REV" at 11862.9,-3180.11 h200
Assembly Top:
  lines w10: -9494.1,-3987.68 -9493.12,-3987.68 ; -9494.1,-3987.63 -9493.12,-3987.63 ; -9494.04,-3987.68 -9494.04,-3987.63 -9494.04,-3987.59 ; -9493.95,-3987.68 -9493.95,-3987.63 -9493.95,-3987.59 ; -9493.48,-3987.68 -9493.48,-3987.63 -9493.48,-3987.59 ; -9493.3,-3987.68 -9493.3,-3987.63 -9493.3,-3987.59 ; -7325,-2894 -2775,-2894 ; -7325,-2594 -2775,-2594 ; -7325,-2294 -2775,-2294 ; -5215,-3194 -5215,-2044 ; -4225,-3194 -4225,-2044 ; 7500,-3987.22 12505,-3987.22 12505,14871 ; 12515,1031 12505,1041 12505,14871 ; -9494.1,-3987.22 7505.4,-3987.22 -9494.1,-3987.22 ; -9494.1,-3987.22 -9494.1,14871 ; -9494.1,-3987.22 -9494.1,14871 ; -9494.1,14871 12505,14871 ; -9494.1,14871 12505,14871 ; -9494.1,-3987.73 -9494.1,-3987.59 -9493.12,-3987.59 -9493.12,-3987.73 -9494.1,-3987.73 ; -7325,-3194 -2775,-3194 -2775,-2044 -7325,-2044 -7325,-3194 ; 8330,1636 8360,1606 8400,1606 8430,1636 8430,1676 8400,1706 8360,1706 8330,1676 8330,1636
  lines w11.8: -9001.61,14406 -9001.61,-3500.78 12108.39,-3500.78 ; 4600.81,-3490.78 4600.81,-1215.78 12100.98,-1215.78 ; 4600.81,-2865.78 6975.81,-2865.78 ; 4600.81,-2709.78 6975.81,-2709.78 ; 4600.81,-2553.78 6975.81,-2553.78 8600.81,-2553.78 ; 4600.81,-2275.78 6975.81,-2275.78 8600.81,-2275.78 12100.81,-2275.78 ; 4600.81,-1665.78 12100.98,-1665.78 ; 4610.9,-1991.78 6975.81,-1991.78 8600.81,-1991.78 ; 4756,-1665.78 4756,-1215.78 ; 4756,-1515.78 12100.98,-1515.78 ; 4756,-1365.78 12100.98,-1365.78 ; 5520.57,-1665.78 5520.57,-1215.78 ; 5788.31,-2865.78 5788.31,-2275.78 ; 5788.31,-2418 6975.81,-2418 ; 6968,-2865.78 8593,-2865.78 ; 6975.81,-3490.78 6975.81,-1665.78 ; 6975.81,-3185.78 8600.81,-3185.78 ; 7278.74,13727.18 12107.2,13727.18 ; 7278.74,13952.35 12105,13952.35 ; 7280,14176 12105,14176 ; 7283.74,13732.18 7283.74,14407.68 ; 7636.03,13732.18 7636.03,13957.35 7636.03,14176 ; 7788,-3490.78 7788,-3365.78 ; 7788,-3185.78 7788,-3060.78 ; 7788,-2865.78 7788,-2740.78 ; 7788,-2553.78 7788,-2428.78 ; 7788,-2275.78 7788,-2150.78 ; 7788,-1991.78 7788,-1866.78 ; 8040,13736 8040,13956 8040,14176 ; 8600.81,-3490.78 8600.81,-1665.78 ; 8600.81,-2890.78 12100.81,-2890.78 ; 8600.81,-1992.78 12100.81,-1992.78 ; 8980.81,-3490.78 8980.81,-2890.78 ; 8980.81,-3260.78 12100.81,-3260.78 ; 10303.68,13732.18 10303.68,13957.35 10303.68,14181 ; 10441.78,-3490.78 10441.78,-3260.78 ; 11205.06,13727.18 11205.06,13952.35 ; 11205.06,13952.18 11205.06,14176 ; 11720.81,-3260.78 11720.81,-2890.78 ; 12108.39,-3494 12108.39,14404.22 12440,14404.22 12440,10861 12115,10861 ; 12108.39,13654.22 12440,13654.22 ; 12113.39,12989.22 12433.39,12989.22
  lines w12: -8995,14404.22 12108.39,14404.22
  text "REVISIONS" at 9497.57,14255.29 h106.13
  text "ZONE" at 7310,14031 h125
  text "REV." at 7710,14031 h125
  text "DESCRIPTION" at 8840,14031 h125
  text "APPD/DATE" at 11385.98,14026 h125
  text ".ASSY1_REV" at 12341.11,14023.9 h200 r90
  text "NAME/DATE" at 10405,14011 h125
  text "REV" at 12235,13686 h125 r90
  text "SH" at 12270,13261 h125 r90
  text ".ASSY_NUMBER_1" at 12348,11022 h120 r90
  text "NOTES:" at 6295,4819.58 h150
  text "1.  VENDOR TO PLACE LABEL WHICH CONTAINS" at 6186,4535 h150
  text "\".ASSY_NUMBER_1" at 8765,4406 h150
  text "-.ASSY1_REV\"" at 10885,4406 h150
  text "THE ASSEMBLY NUMBER AND REV" at 6386,4385 h150
  text "PLACE LABEL IN APPROXIMATE LOCATION SHOWN" at 6386,4235 h150
  text "FONT AND LABEL SIZE AT VENDORS DISCRETION." at 6386,4085 h150
  text "LABEL MATERIAL TO BE UL RECOGNIZED" at 6386,3935 h150
  text "2.  PCB ASSEMBLY MUST BE ROHS COMPLIANT" at 6176,3735 h150
  text "3.  PCB TO HAVE NO CONFORMAL COATING" at 6176,3535 h150
  text "4.  HATCHED AREAS INDICATE AREAS TO BE MASKED." at 6176,2885 h150
  text "NO CONFORMAL COAT SHOULD BE IN THESE AREAS." at 6376,2735 h150
  text "\"DO NOT COAT\"" at 6380,2316 h150
  text "AREA EXAMPLE" at 6360,2166 h150
  text "5.  ALL DRAWING REQUIREMENTS SHALL BE AUDITED" at 6160,1906 h150
  text "FOR COMPLIANCE ITEMS IDENTIFIED AS KEY     OR" at 6360,1756 h150
  text "" at 9360,1756 h150
  text "CRITICAL CHARACTERISTICS       SHALL REQUIRE" at 6360,1606 h150
  text "ADDITIONAL INSPECTION UNDER ONGOING LOT" at 6360,1456 h150
  text "CONTROL PLAN." at 6360,1306 h150
  text "6.  OVERALL BOARD DIMENSIONS ARE FOR REFERENCE" at 6170,1116 h150
  text "7.  BOM IS IN EXCEL FORMAT" at 6170,946 h150
  text "8.  PCB ASSEMBLY TO BE INSPECTED PER IPC-A-610 CLASS2" at 6170,766 h150
  text "LATEST REVISION" at 6370,626 h150
  text "MAT'L" at 4719,-1610 h125 r90
  text "Assembly Top Part Placement" at -680,-1614 h200
  text "DRAWN BY/DATE" at 7005,-1759 h125
  text "INTERPRET DRAWING" at 5064.76,-1797 h150
  text ".Company" at 9816.51,-1859 h150
  text ".engineer" at 7280,-1934 h125
  text ".Address1" at 10074.83,-1938 h100
  text "'.Drawn_By_Date'" at 7900,-1943 h125
  text "PER ANSI Y32" at 5358.08,-1957 h150
  text "CHECKED BY/DATE" at 7005,-2084 h125
  text "DRAWING TYPE:" at 8630,-2084 h100
  text "UNLESS OTHERWISE SPECIFIED" at 4742.89,-2107 h150
  text "PART NUMBER" at -6925,-2224 h200
  text "Assembly Drawing" at 9460,-2234 h250
  text "ALL DIMENSIONS IN INCHES." at 4865,-2242 h150
  text "REVISION" at -5135,-2244 h200
  text "FILE TYPE" at -3935,-2244 h200
  text "MFG ENG/DATE" at 7005,-2359 h125
  text "Title:" at 8659.35,-2387.62 h100
  text ".XX ± .01" at 5829.76,-2392 h150
  text "TOLERANCE" at 4659.76,-2472 h150
  text ".SCH_REV" at -4781.81,-2494 h200
  text "SCHEMATIC" at -4139.48,-2494 h200
  text ".Schematic" at -7185,-2504 h120
  text ".XXX ± .005" at 5834.76,-2532 h150
  text "FNL APPROVAL/DATE" at 7005,-2634 h125
  text "ANGLE" at 4660,-2677 h150
  text "± 1°" at 5834.76,-2677.78 h150
  text ".Project_Title" at 9230,-2684 h200
  text ".PCB_REV" at -4781.81,-2794 h200
  text "PCB BARE FAB" at -4139.48,-2794 h200
  text ".PCB_NUMBER" at -7185,-2804 h120
  text "±1/64" at 5839.76,-2833.78 h150
  text "FRACTION" at 4659.76,-2837 h150
  text "FNL APPROVAL/DATE" at 7005,-2959 h125
  text "Form Rev. 9/2/2015" at -9043,-2978 h100 r90
  text "SIZE" at 8680,-2984 h100
  text "DWG No." at 9030,-2984 h100
  text "CONFIDENTIAL" at 5304.16,-3013 h150
  text "REV" at 11814.6,-3019.91 h100
  text ".XLS" at -5520,-3079 h120
  text ".ASSY_NUMBER_1" at -7205,-3084 h120
  text ".ASSY1_REV" at -4781.81,-3094 h200
  text "BOM IN EXCEL" at -4139.48,-3094 h200
  text "THIS DOCUMENT IS THE CONFIDENTIAL PROPERTY OF" at 4879.56,-3107 h75
  text ".ASSY_NUMBER_1" at 9160,-3139 h180
  text "Swarm Technologies AND IS NOT TO BE REPRODUCED," at 4796,-3193 h75
  text ".ASSY1_REV" at 11872.9,-3200.11 h200
  text "USED OR DISCLOSED BY ANYONE WITHOUT THE EXPRESS" at 4812.18,-3278 h75
  text "PROD CTRL/FNL REL" at 7005,-3284 h125
  text "B" at 8730,-3334 h250
  text "WRITTEN PERMISSION OF THE Swarm Technologies" at 4800.87,-3365.36 h75
  text "1" at 11222,-3441 h150
  text "SCALE:" at 9110.03,-3443.65 h150
  text "1:1" at 9733.88,-3443.87 h150
  text "SHEET:" at 10611.69,-3443.65 h150
  text "OF" at 11422.9,-3443.65 h150
  text "2" at 11772.9,-3443.87 h150
  text "COMPANY." at 5616.21,-3448 h75
Assembly Bot:
  lines w3.9: -9494.1,-3987.22 7505.4,-3987.22
  lines w10: 786.3,-2894 5336.3,-2894 ; 786.3,-2594 5336.3,-2594 ; 786.3,-2294 5336.3,-2294 ; 2236.3,-3194 2236.3,-2044 ; 3226.3,-3194 3226.3,-2044 ; 786.3,-3194 5336.3,-3194 5336.3,-2044 786.3,-2044 786.3,-3194
  lines w11.8: -9337.09,13039.22 -9017.09,13039.22 ; -9337.09,13664.22 -9017.09,13664.22 ; -9017.09,10914.22 -9337.09,10914.22 -9337.09,14414.22 -9017.09,14414.22 ; -9005,14416 -9005,-3500.78 12115,-3500.78 12115,14416 ; -8995.91,13732.18 -4167.44,13732.18 -4167.44,14407.68 ; -8993.7,13957.35 -4167.44,13957.35 ; -8993.7,14181 -4168.7,14181 ; -8984.69,-1675.78 -1484.52,-1675.78 ; -8984.69,-1525.78 -1639.71,-1525.78 ; -8984.69,-1375.78 -1639.71,-1375.78 ; -8984.69,-1225.78 -1484.52,-1225.78 -1484.52,-3500.78 ; -8984.52,-3270.78 -5864.52,-3270.78 ; -8984.52,-2900.78 -5484.52,-2900.78 ; -8984.52,-2285.78 -5484.52,-2285.78 -3859.52,-2285.78 -1484.52,-2285.78 ; -8984.52,-2002.78 -5484.52,-2002.78 ; -8604.52,-3270.78 -8604.52,-2900.78 ; -8093.76,13732.18 -8093.76,13957.35 ; -8093.76,13957.18 -8093.76,14181 ; -7325.48,-3500.78 -7325.48,-3270.78 ; -7187.38,13732.18 -7187.38,13957.35 -7187.38,14181 ; -5864.52,-3500.78 -5864.52,-2900.78 ; -5484.52,-3500.78 -5484.52,-1675.78 ; -5484.52,-3195.78 -3859.52,-3195.78 ; -5484.52,-2563.78 -3859.52,-2563.78 -1484.52,-2563.78 ; -5484.52,-2001.78 -3859.52,-2001.78 -1494.6,-2001.78 ; -5476.7,-2875.78 -3851.7,-2875.78 ; -4987.09,-3875.78 -4987.09,-3500.78 ; -4923.7,13736 -4923.7,13956 -4923.7,14176 ; -4671.7,-3500.78 -4671.7,-3375.78 ; -4671.7,-3195.78 -4671.7,-3070.78 ; -4671.7,-2875.78 -4671.7,-2750.78 ; -4671.7,-2563.78 -4671.7,-2438.78 ; -4671.7,-2285.78 -4671.7,-2160.78 ; -4671.7,-2001.78 -4671.7,-1876.78 ; -4519.73,13732.18 -4519.73,13957.35 -4519.73,14176 ; -3859.52,-3500.78 -3859.52,-1674.12 ; -3859.52,-2875.78 -1484.52,-2875.78 ; -3859.52,-2719.78 -1484.52,-2719.78 ; -3859.52,-2428 -2672.02,-2428 ; -2672.02,-2875.78 -2672.02,-2285.78 ; -2404.28,-1675.78 -2404.28,-1225.78 ; -1639.71,-1675.78 -1639.71,-1225.78 ; -987.09,-3875.78 -987.09,-3500.78 ; 3012.91,-3875.78 3012.91,-3500.78 ; 7504.41,-3987.68 7505.4,-3987.68 ; 7504.41,-3987.63 7505.4,-3987.63 ; 7504.6,-3987.68 7504.6,-3987.63 7504.6,-3987.59 ; 7504.78,-3987.68 7504.78,-3987.63 7504.78,-3987.59 ; 7505.24,-3987.68 7505.24,-3987.63 7505.24,-3987.59 ; 7505.33,-3987.68 7505.33,-3987.63 7505.33,-3987.59 ; 7504.41,-3987.73 7504.41,-3987.59 7505.4,-3987.59 7505.4,-3987.73 7504.41,-3987.73
  lines w12: -9005,14416 12115,14416 ; -9494.1,-3987.22 12485,-3987.22 12485,14886 -9494.1,14886 -9494.1,-3987.22
  text "REVISIONS" at -6381.28,14255.29 h106.13
  text ".ASSY1_REV" at -9249.82,14033.9 h200 r270
  text "APPD/DATE" at -8274.69,14031 h125
  text "DESCRIPTION" at -5723.7,14031 h125
  text "REV." at -4593.7,14031 h125
  text "ZONE" at -4193.7,14031 h125
  text "NAME/DATE" at -7293.7,14016 h125
  text "-----------------" at -8221,13815 h125
  text "--------------------" at -7264,13815 h125
  text "SEE SHEET ONE FOR DETAILS" at -5104.7,13815 h125
  text "----" at -4635,13815 h125
  text "----" at -4253,13815 h125
  text "REV" at -9143.7,13696 h125 r270
  text "SH" at -9143.7,13071 h125 r270
  text ".ASSY_NUMBER_1" at -9221.7,11077 h120 r270
  text "Assembly Top Part Placement" at 524,-534 h200
  text "A" at -9057.2,-1128.49 h400
  text "MAT'L" at -1602.7,-1620 h125 r270
  text "DRAWN BY/DATE" at -3888.7,-1769 h125
  text "INTERPRET DRAWING" at -1948.47,-1807 h150
  text ".Company" at -6700.21,-1869 h150
  text ".engineer" at -4163.7,-1944 h125
  text ".Address1" at -6958.53,-1948 h100
  text "'.Drawn_By_Date'" at -4783.7,-1953 h125
  text "PER ANSI Y32" at -2241.78,-1967 h150
  text "DRAWING TYPE:" at -5513.7,-2094 h100
  text "CHECKED BY/DATE" at -3888.7,-2094 h125
  text "UNLESS OTHERWISE SPECIFIED" at -1626.59,-2117 h150
  text "PART NUMBER" at 4936.3,-2224 h200
  text "Assembly Drawing" at -6343.7,-2244 h250
  text "FILE TYPE" at 1946.3,-2244 h200
  text "REVISION" at 3146.3,-2244 h200
  text "ALL DIMENSIONS IN INCHES." at -1748.7,-2252 h150
  text "MFG ENG/DATE" at -3888.7,-2369 h125
  text "Title:" at -5543.05,-2397.62 h100
  text ".XX ± .01" at -2713.47,-2402 h150
  text "TOLERANCE" at -1543.47,-2482 h150
  text "SCHEMATIC" at 2150.78,-2494 h200
  text ".SCH_REV" at 2793.1,-2494 h200
  text ".Schematic" at 5196.3,-2504 h200
  text ".XXX ± .005" at -2718.47,-2542 h150
  text "FNL APPROVAL/DATE" at -3888.7,-2644 h125
  text ".Project_Title" at -5835,-2684 h200
  text "ANGLE" at -1543.7,-2687 h150
  text "± 1°" at -2718.47,-2687.78 h150
  text "PCB BARE FAB" at 2150.78,-2794 h200
  text ".PCB_REV" at 2793.1,-2794 h200
  text ".PCB_NUMBER" at 5196.3,-2804 h200
  text "±1/64" at -2723.47,-2843.78 h150
  text "FRACTION" at -1543.47,-2847 h150
  text "FNL APPROVAL/DATE" at -3888.7,-2969 h125
  text "DWG No." at -5913.7,-2994 h100
  text "SIZE" at -5563.7,-2994 h100
  text "CONFIDENTIAL" at -2187.86,-3023 h150
  text "REV" at -8698.3,-3029.91 h100
  text ".XLS" at 3756.3,-3084 h200
  text ".ASSY_NUMBER_1" at 5216.3,-3084 h200
  text "BOM IN EXCEL" at 2150.78,-3094 h200
  text ".ASSY1_REV" at 2793.1,-3094 h200
  text "THIS DOCUMENT IS THE CONFIDENTIAL PROPERTY OF" at -1763.26,-3117 h75
  text ".ASSY_NUMBER_1" at -5936.7,-3170 h200
  text "SWARM Technologies AND IS NOT TO BE REPRODUCED," at -1640.95,-3203 h75
  text ".ASSY1_REV" at -8756.6,-3210.11 h200
  text "USED OR DISCLOSED BY ANYONE WITHOUT THE EXPRESS" at -1695.88,-3288 h75
  text "PROD CTRL/FNL REL" at -3888.7,-3294 h125
  text "B" at -5613.7,-3344 h250
  text "WRITTEN PERMISSION OF THE Swarm Technologies" at -1684.57,-3375.36 h75
  text "1" at -8105.7,-3451 h150
  text "2" at -8656.6,-3453.87 h150
  text "OF" at -8306.6,-3453.65 h150
  text "SHEET:" at -7495.39,-3453.65 h150
  text "1:1" at -6617.58,-3453.87 h150
  text "SCALE:" at -5993.73,-3453.65 h150
  text "COMPANY." at -2499.91,-3458 h75
  text "1" at -6905.82,-3815.99 h400
  text "2" at -2899.76,-3815.99 h400
  text "3" at 1100.1,-3815.99 h400
  text "4" at 5100.53,-3815.99 h400
Readme ASSY:
  lines w10: 5965,11446 10665,11446 10665,13216 5965,13216 5965,11446
  text "Assembly" at 9338,12969 h60
  text "This is a readme file for" at 6265,12966 h60
  text ".ASSY_NUMBER_1" at 7215,12966 h60
  text "-" at 7965,12966 h60
  text ".ASSY1_REV" at 8015,12966 h60
  text ".Project_Title" at 8148,12966 h60
  text "1." at 6085,12516 h60
  text ".ASSY_NUMBER_1" at 6245,12516 h60
  text "-" at 7005,12516 h60
  text ".ASSY1_REV" at 7065,12516 h60
  text ".PDF" at 7185,12516 h60
  text "ASSEMBLY DRAWING" at 9047,12516 h60
  text ".Project_Title" at 7855,12508.32 h60
  text "3D PDF" at 9047,12422.08 h60
  text "2." at 6085,12416 h60
  text ".ASSY_NUMBER_1" at 6245,12416 h60
  text "-" at 7005,12416 h60
  text ".ASSY1_REV" at 7065,12416 h60
  text "-3D.PDF" at 7185,12416 h60
  text ".Project_Title" at 7865,12416 h60
  text ".Project_Title" at 7875,12321 h60
  text "3." at 6085,12316 h60
  text ".ASSY_NUMBER_1" at 6245,12316 h60
  text "-" at 7005,12316 h60
  text ".ASSY1_REV" at 7065,12316 h60
  text ".XLS" at 7185,12316 h60
  text "EXCEL BOM" at 9047,12316 h60
  text "4." at 6085,12216 h60
  text ".Schematic" at 6245,12216 h60
  text "-" at 7045,12216 h60
  text ".SCH_REV" at 7095,12216 h60
  text ".PDF" at 7205,12216 h60
  text ".Project_Title" at 7865,12216 h60
  text "SCHEMATIC" at 9047,12216 h60
  text "5." at 6085,12116 h60
  text ".PCB_NUMBER" at 6245,12116 h60
  text "-" at 7045,12116 h60
  text ".PCB_REV" at 7095,12116 h60
  text ".ZIP" at 7205,12116 h60
  text ".Project_Title" at 7865,12116 h60
  text "GERBER PACKAGE" at 9047,12116 h60
  text "Pick and Place, NC Drill File....." at 9052,12016 h60
  text "(Separate Readme for this file included.)" at 9052,11916 h60
  text "-" at 7015,11746 h60
  text ".ASSY1_REV" at 7045,11746 h60
  text "-ODB++.ZIP" at 7165,11746 h60
  text "ODB++ DATABASE" at 9047,11739 h60
  text "6." at 6085,11736 h60
  text ".ASSY_NUMBER_1" at 6245,11736 h60
  text ".Project_Title" at 7865,11736 h60
  text "-" at 7015,11646 h60
  text ".ASSY1_REV" at 7045,11646 h60
  text "-ASCII.PcbDoc" at 7165,11646 h60
  text "PCB IN ASCII FORMAT" at 9047,11639 h60
  text "7." at 6085,11636 h60
  text ".ASSY_NUMBER_1" at 6245,11636 h60
  text ".Project_Title" at 7865,11636 h60
Readme PCB:
  lines w10: 6055,7216 10755,7216 10755,10416 6055,10416 6055,7216
  text "-" at 8290,9697.62 h60
  text ".PCB_REV" at 8330,9688.71 h60
  text "This is a readme file for" at 6530,9687.62 h60
  text ".PCB_NUMBER" at 7500,9687.62 h60
  text ".ZIP  Controller Board Rev" at 8430,9687.62 h60
  text ".PCB_REV" at 9654,9681.62 h60
  text "Zip File includes:" at 6530,9547.62 h60
  text "1." at 6340,9377.62 h60
  text ".PCB_NUMBER" at 6540,9377.62 h60
  text "-" at 7320,9377.62 h60
  text ".PCB_REV" at 7380,9377.62 h60
  text ".GTL" at 7500,9377.62 h60
  text "TOP LAYER" at 8437,9368.62 h60
  text "2." at 6340,9277.62 h60
  text ".PCB_NUMBER" at 6540,9277.62 h60
  text "-" at 7320,9277.62 h60
  text ".PCB_REV" at 7380,9277.62 h60
  text ".G1" at 7500,9277.62 h60
  text "INNER LAYER 1" at 8437,9268.62 h60
  text "3." at 6340,9177.62 h60
  text ".PCB_NUMBER" at 6540,9177.62 h60
  text "-" at 7320,9177.62 h60
  text ".PCB_REV" at 7380,9177.62 h60
  text ".G2" at 7500,9177.62 h60
  text "INNER LAYER 2" at 8437,9168.62 h60
  text "4." at 6340,9077.62 h60
  text ".PCB_NUMBER" at 6540,9077.62 h60
  text "-" at 7320,9077.62 h60
  text ".PCB_REV" at 7380,9077.62 h60
  text ".GBL" at 7500,9077.62 h60
  text "BOTTOM LAYER" at 8440,9073.62 h60
  text "5." at 6340,8977.62 h60
  text ".PCB_NUMBER" at 6540,8977.62 h60
  text "-" at 7320,8977.62 h60
  text ".PCB_REV" at 7380,8977.62 h60
  text ".GTO" at 7500,8977.62 h60
  text "TOP OVERLAY(SILK SCREEN TOP)" at 8440,8973.62 h60
  text "6." at 6340,8877.62 h60
  text ".PCB_NUMBER" at 6540,8877.62 h60
  text "-" at 7320,8877.62 h60
  text ".PCB_REV" at 7380,8877.62 h60
  text ".GBO" at 7500,8877.62 h60
  text "BOT OVERLAY(SILK SCREEN BOT)" at 8440,8873.62 h60
  text "TOP PASTE" at 8440,8783.62 h60
  text "7." at 6340,8777.62 h60
  text ".PCB_NUMBER" at 6540,8777.62 h60
  text "-" at 7320,8777.62 h60
  text ".PCB_REV" at 7380,8777.62 h60
  text ".GTP" at 7500,8777.62 h60
  text "BOTTOM PASTE" at 8440,8693.62 h60
  text "8." at 6340,8677.62 h60
  text ".PCB_NUMBER" at 6540,8677.62 h60
  text "-" at 7320,8677.62 h60
  text ".PCB_REV" at 7380,8677.62 h60
  text ".GBP" at 7500,8677.62 h60
  text "TOP SOLDER" at 8440,8587.62 h60
  text "9." at 6340,8577.62 h60
  text ".PCB_NUMBER" at 6540,8577.62 h60
  text "-" at 7320,8577.62 h60
  text ".PCB_REV" at 7380,8577.62 h60
  text ".GTS" at 7500,8577.62 h60
  text "BOTTOM SOLDER" at 8440,8487.62 h60
  text "10." at 6340,8477.62 h60
  text ".PCB_NUMBER" at 6540,8477.62 h60
  text "-" at 7320,8477.62 h60
  text ".PCB_REV" at 7380,8477.62 h60
  text ".GBS" at 7500,8477.62 h60
  text "DRILL DRAWING" at 8440,8391.62 h60
  text "11." at 6340,8377.62 h60
  text ".PCB_NUMBER" at 6540,8377.62 h60
  text "-" at 7320,8377.62 h60
  text ".PCB_REV" at 7380,8377.62 h60
  text ".GD1" at 7500,8377.62 h60
  text "NC DRILL FILE" at 8440,8291.62 h60
  text "12." at 6340,8277.62 h60
  text ".PCB_NUMBER" at 6540,8277.62 h60
  text "-" at 7320,8277.62 h60
  text ".PCB_REV" at 7380,8277.62 h60
  text ".TXT" at 7500,8277.62 h60
  text "Fabrication Drawing with Drill Legend and Bare Fab Specs" at 8440,8181.62 h60
  text "13." at 6340,8177.62 h60
  text ".PCB_NUMBER" at 6540,8177.62 h60
  text "-" at 7320,8177.62 h60
  text ".PCB_REV" at 7380,8177.62 h60
  text ".PDF" at 7500,8177.62 h60
  text "PICK AND PLACE  DATA" at 8440,8081.62 h60
  text "14." at 6340,8077.62 h60
  text ".PCB_NUMBER" at 6540,8077.62 h60
  text "-" at 7320,8077.62 h60
  text ".PCB_REV" at 7380,8077.62 h60
  text "-PPL.TXT" at 7500,8077.62 h60
  text "IPC NETLIST AND TEST POINTS" at 8440,7981.62 h60
  text "15." at 6340,7977.62 h60
  text ".PCB_NUMBER" at 6540,7977.62 h60
  text "-" at 7320,7977.62 h60
  text ".PCB_REV" at 7380,7977.62 h60
  text "-TPL.IPC" at 7500,7977.62 h60
  text "16." at 6340,7877.62 h60
  text ".PCB_NUMBER" at 6540,7877.62 h60
  text "-" at 7320,7877.62 h60
  text ".PCB_REV" at 7380,7877.62 h60
  text "-TPL.CSV" at 7500,7877.62 h60
  text "Test Point Locations in CSV format." at 8435,7875.54 h60
  text "Swarm Technologies" at 6450,7667.62 h100
  text "Phone:" at 6440,7547.62 h100
  text ".Phone#" at 6750,7537.62 h100
Drill Drawing:
  drawing of 550 lines, arcs and shapes, not listed
  text "Layer" at -2508.8,13138.49 h60
  text "Name" at -2098.89,13138.49 h60
  text "Material" at -1169.15,13138.49 h60
  text "Thickness" at -309.38,13138.49 h60
  text "Constant" at 340.46,13138.49 h60
  text "Board Layer Stack" at 910.32,13138.49 h60
  text "Board Layer Stack" at 2030,13138.49 h60
  text "Board Layer Stack" at 3149.68,13138.49 h60
  text "Top Overlay" at -2098.89,13018.49 h60
  text "Top Solder" at -2098.89,12898.49 h60
  text "Solder Resist" at -1169.15,12898.49 h60
  text "0.50mil" at -309.38,12898.49 h60
  text "3.5" at 340.46,12898.49 h60
  text "1" at -2508.8,12778.49 h60
  text "Top Layer" at -2098.89,12778.49 h60
  text "1.38mil" at -309.38,12778.49 h60
  text "Dielectric1" at -2098.89,12658.49 h60
  text "PP-022" at -1169.15,12658.49 h60
  text "8.20mil" at -309.38,12658.49 h60
  text "4.5" at 340.46,12658.49 h60
  text "2" at -2508.8,12538.49 h60
  text "Inner Layer 1" at -2098.89,12538.49 h60
  text "1.38mil" at -309.38,12538.49 h60
  text "Dielectric4" at -2098.89,12418.49 h60
  text "Core-042" at -1169.15,12418.49 h60
  text "39.00mil" at -309.38,12418.49 h60
  text "4.6" at 340.46,12418.49 h60
  text "3" at -2508.8,12298.49 h60
  text "Inner Layer 2" at -2098.89,12298.49 h60
  text "1.38mil" at -309.38,12298.49 h60
  text "Dielectric7" at -2098.89,12178.49 h60
  text "PP-022" at -1169.15,12178.49 h60
  text "8.20mil" at -309.38,12178.49 h60
  text "4.5" at 340.46,12178.49 h60
  text "4" at -2508.8,12058.49 h60
  text "Bottom Layer" at -2098.89,12058.49 h60
  text "1.38mil" at -309.38,12058.49 h60
  text "Bottom Solder" at -2098.89,11938.49 h60
  text "Solder Resist" at -1169.15,11938.49 h60
  text "0.50mil" at -309.38,11938.49 h60
  text "3.5" at 340.46,11938.49 h60
  text "Bottom Overlay" at -2098.89,11818.49 h60
  text "Total board thickness (Board Layer Stack):" at -2508.8,11698.49 h60
  text "61.91mil" at -29.58,11698.49 h60
  text ".Legend" at -2275,7071 h75
  text ".Plot_File_Name" at -821.38,-1634 h150

## Dimensions
-8110,3306 to -8110,4806 on Notes 1

## Text inside footprints (layer, text, board x,y; h text height)
"Arduino Uno": Top Overlay "IOREF" at 1130.12,2494.69 h60; Top Overlay "RESET" at 1130.12,2409.69 h60; Top Overlay "3V3" at 1125.12,2299.69 h60; Top Overlay "5V" at 1130,2200 h60; Top Overlay "GND" at 1133.35,2100.82 h60; Top Overlay "GND" at 1133.35,2000.82 h60; Top Overlay "A0" at 1128.51,1701.08 h60; Top Overlay "A1" at 1132.13,1600.76 h60; Top Overlay "A2" at 1128.63,1500.76 h60; Top Overlay "A3" at 1128.44,1401.11 h60; Top Overlay "A4" at 1128.51,1300.83 h60; Top Overlay "A5" at 1128.28,1201.15 h60; Top Overlay "9" at 2853.4,2162.1 h60; Top Overlay "8" at 2853.4,2062.1 h60; Top Overlay "SCL" at 2775,2960 h60; Top Overlay "AREF" at 2735,2765 h60; Top Overlay "GND" at 2763.23,2661.1 h60; Top Overlay "TX" at 2666.12,1289.69 h60; Top Overlay "RX" at 2665.12,1189.69 h60; Top Overlay "13" at 2813.74,2562.1 h60; Top Overlay "12" at 2813.74,2462.1 h60; Top Overlay "11" at 2829.6,2362.1 h60; Top Overlay "10" at 2813.74,2262.1 h60; Top Overlay "7" at 2853.4,1902.1 h60; Top Overlay "6" at 2853.4,1802.1 h60; Top Overlay "5" at 2853.4,1702.1 h60; Top Overlay "4" at 2853.4,1602.1 h60; Top Overlay "3" at 2853.4,1502.1 h60; Top Overlay "2" at 2853.4,1402.1 h60; Top Overlay "1" at 2852.94,1300.76 h60; Top Overlay "0" at 2853.4,1202.1 h60; Top Overlay "SDA" at 2770,2860 h60
U3: Top Overlay "*" at 2593.7,3190 h31.25 r180; Board Outline "*" at 2593.7,3190 h31.25 r180